# Altium PCB Backend.PcbDoc (part 1 of 3) (continued)
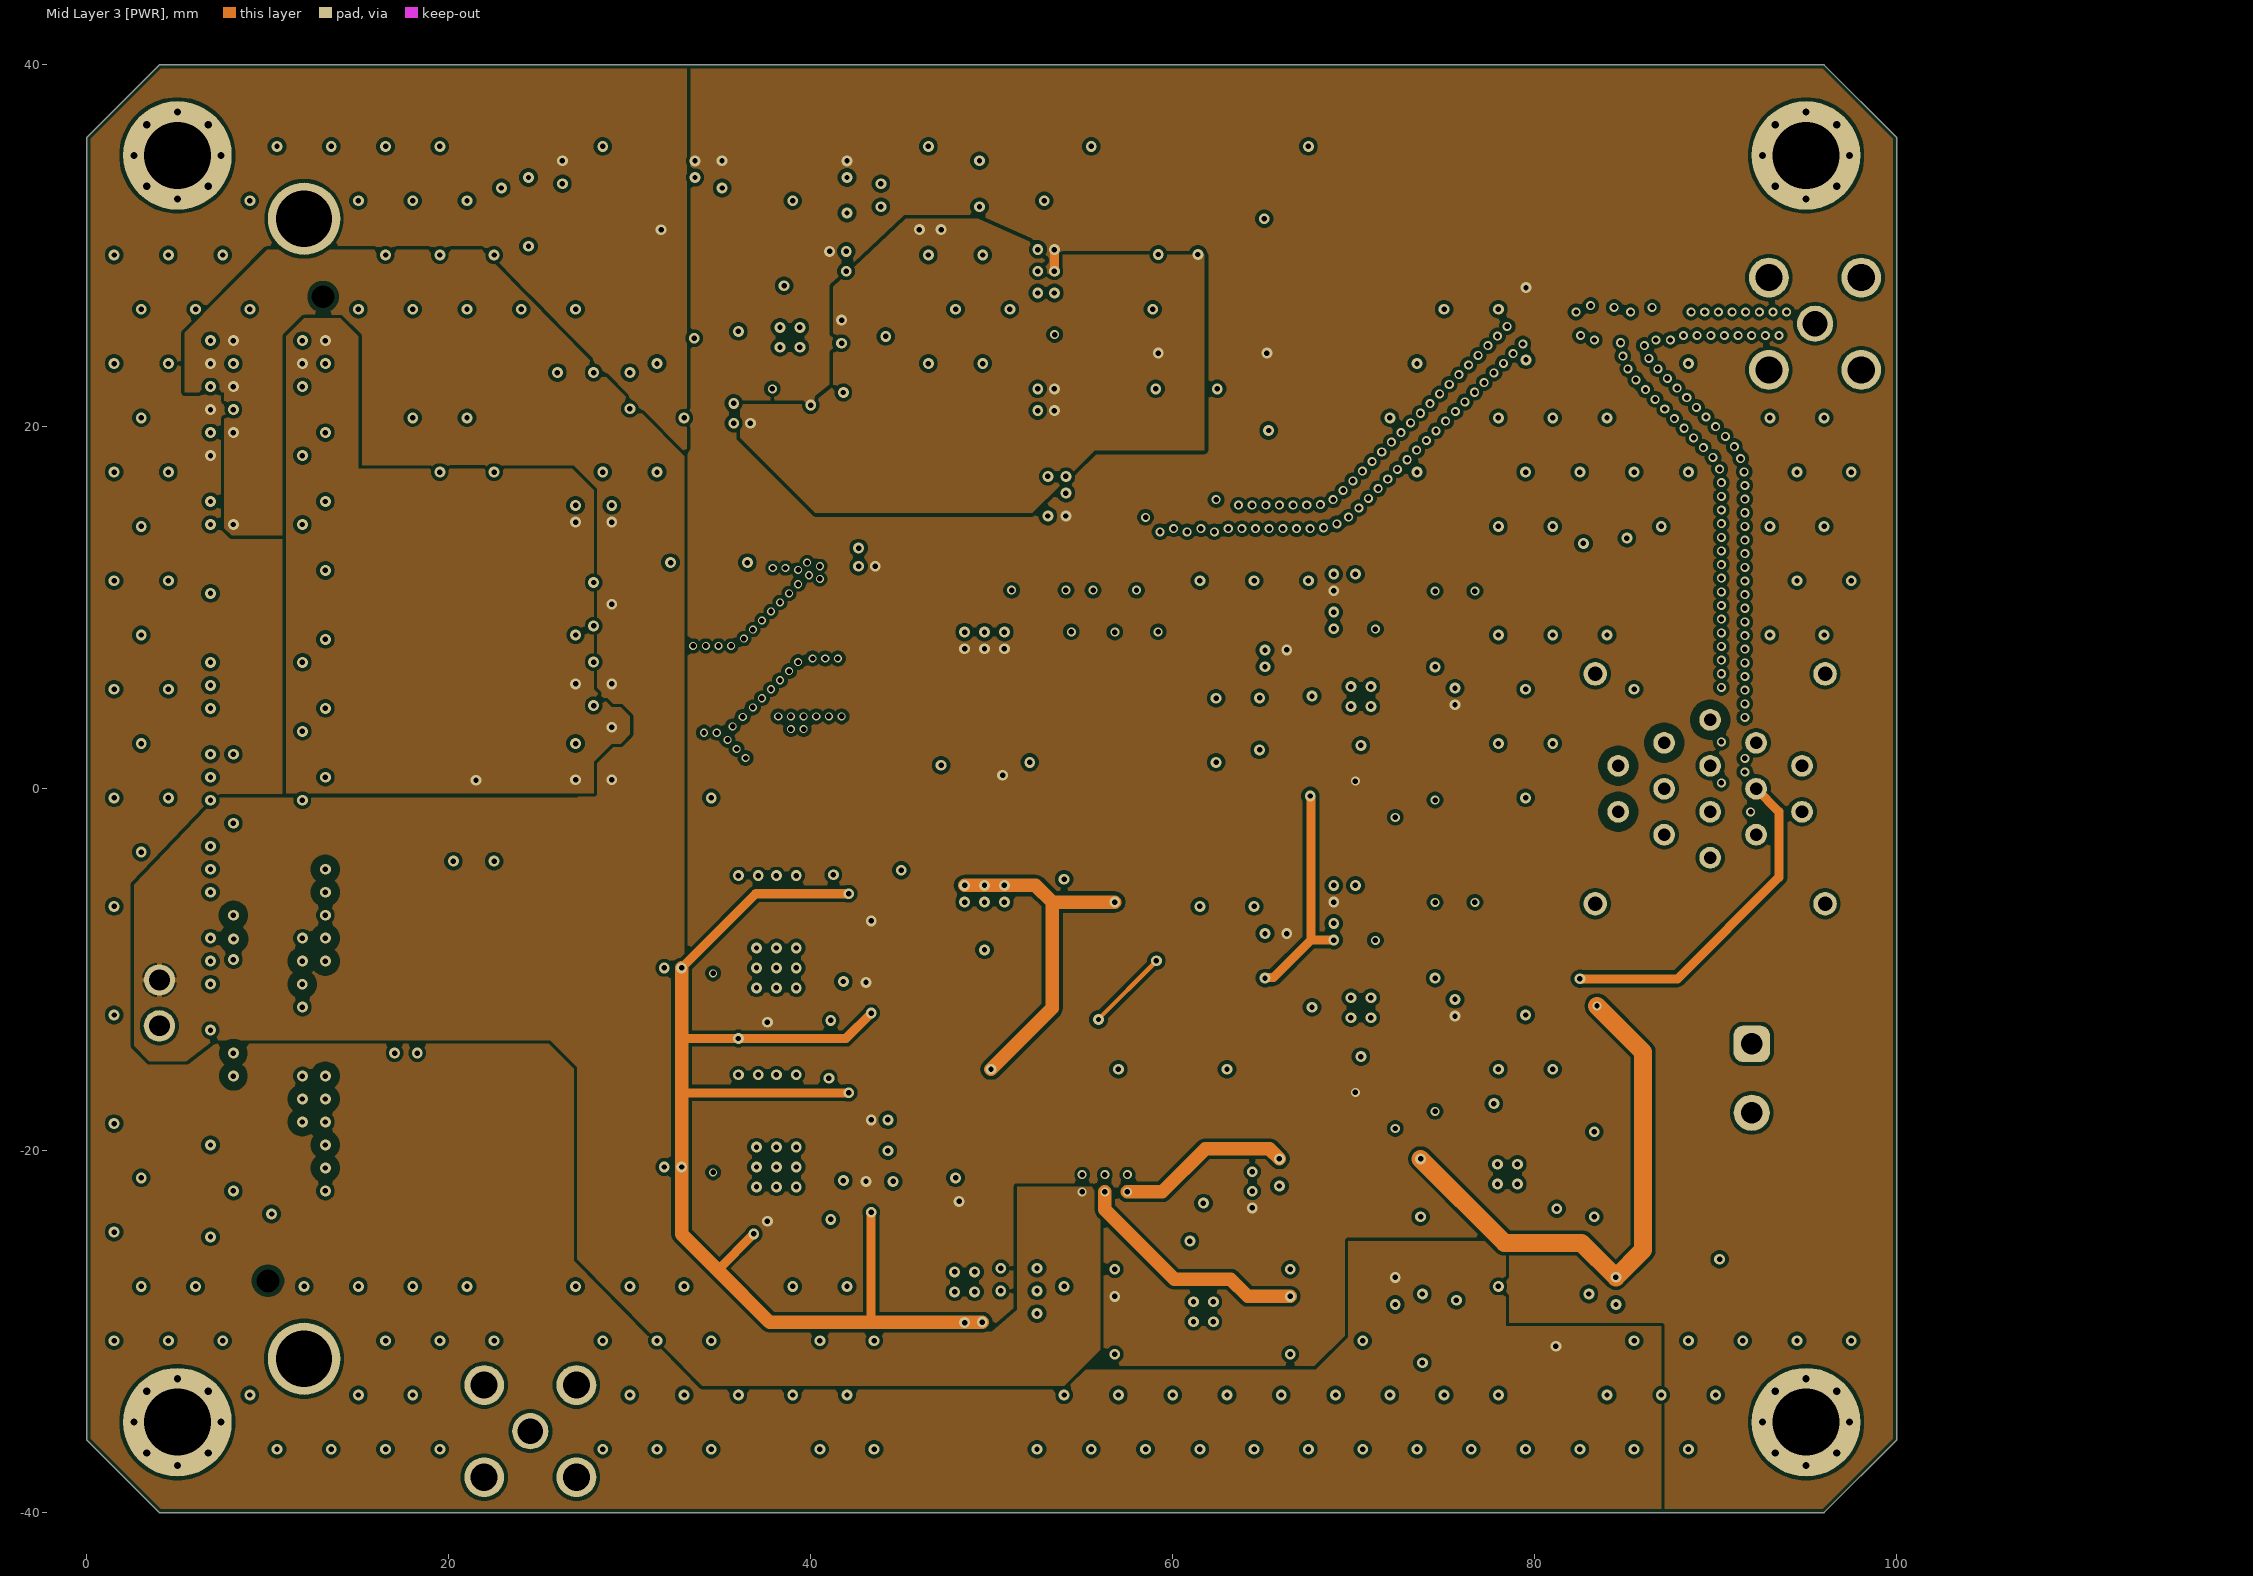
[diagram p4: Mid Layer 3 [PWR]]
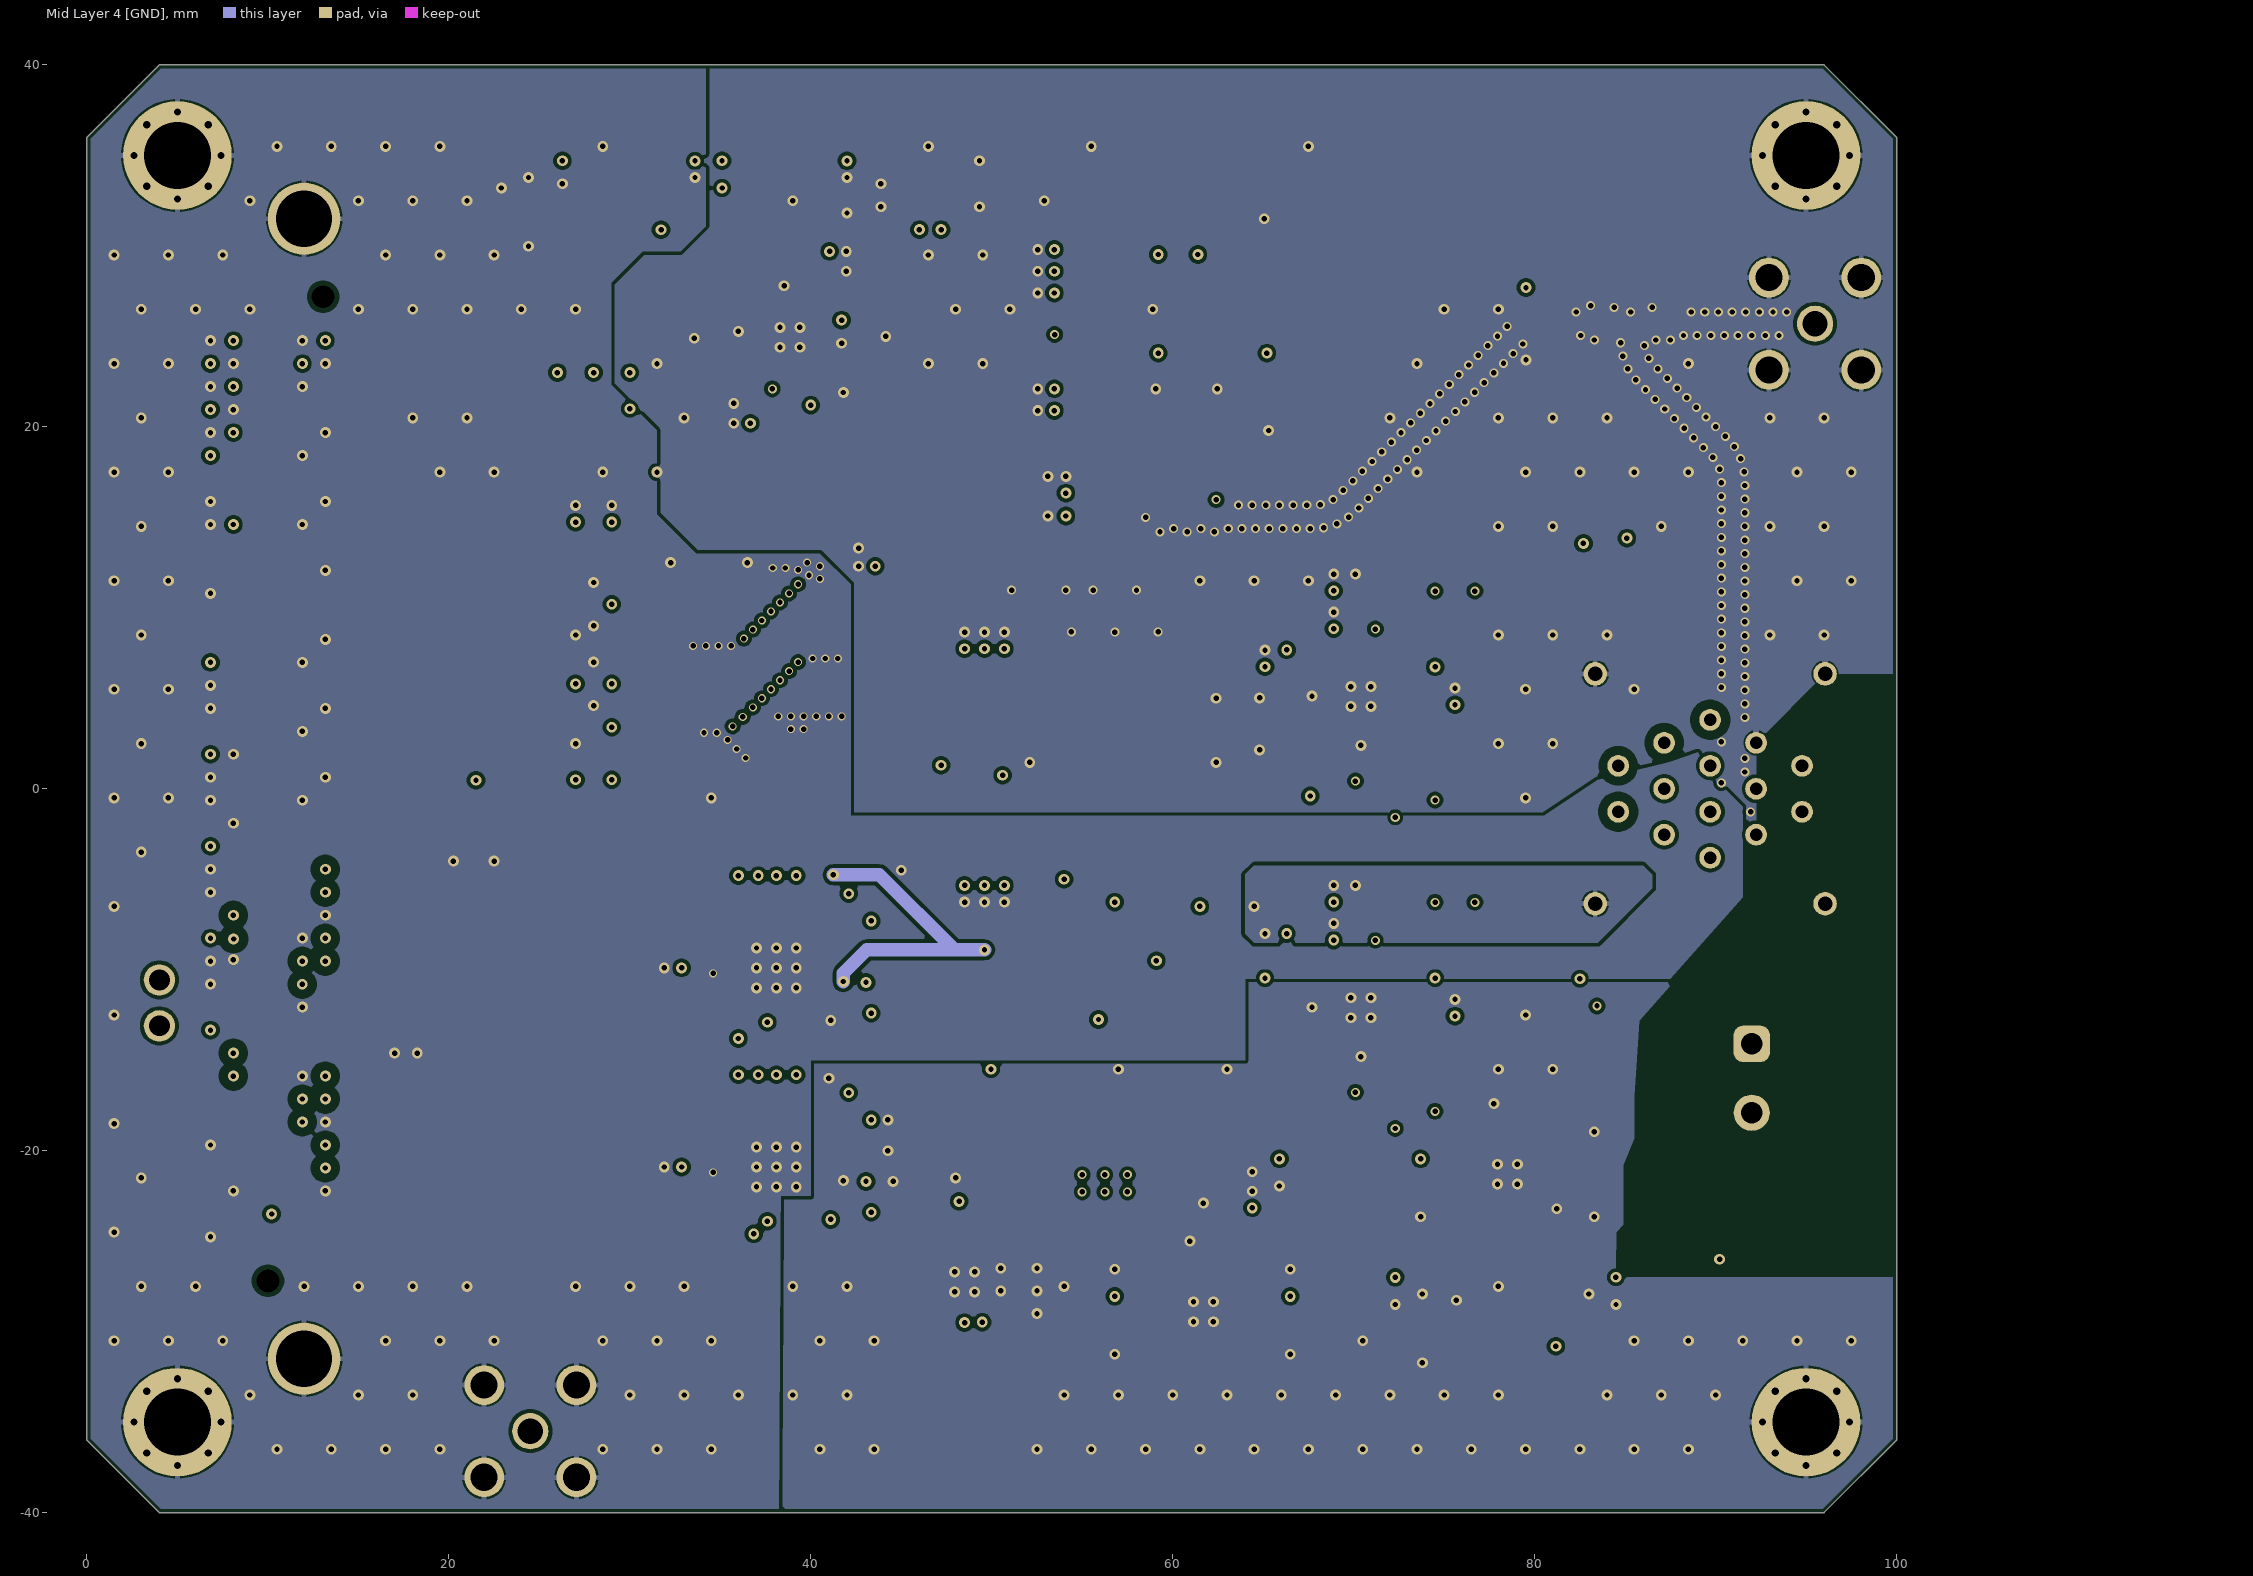
[diagram p5: Mid Layer 4 [GND]]
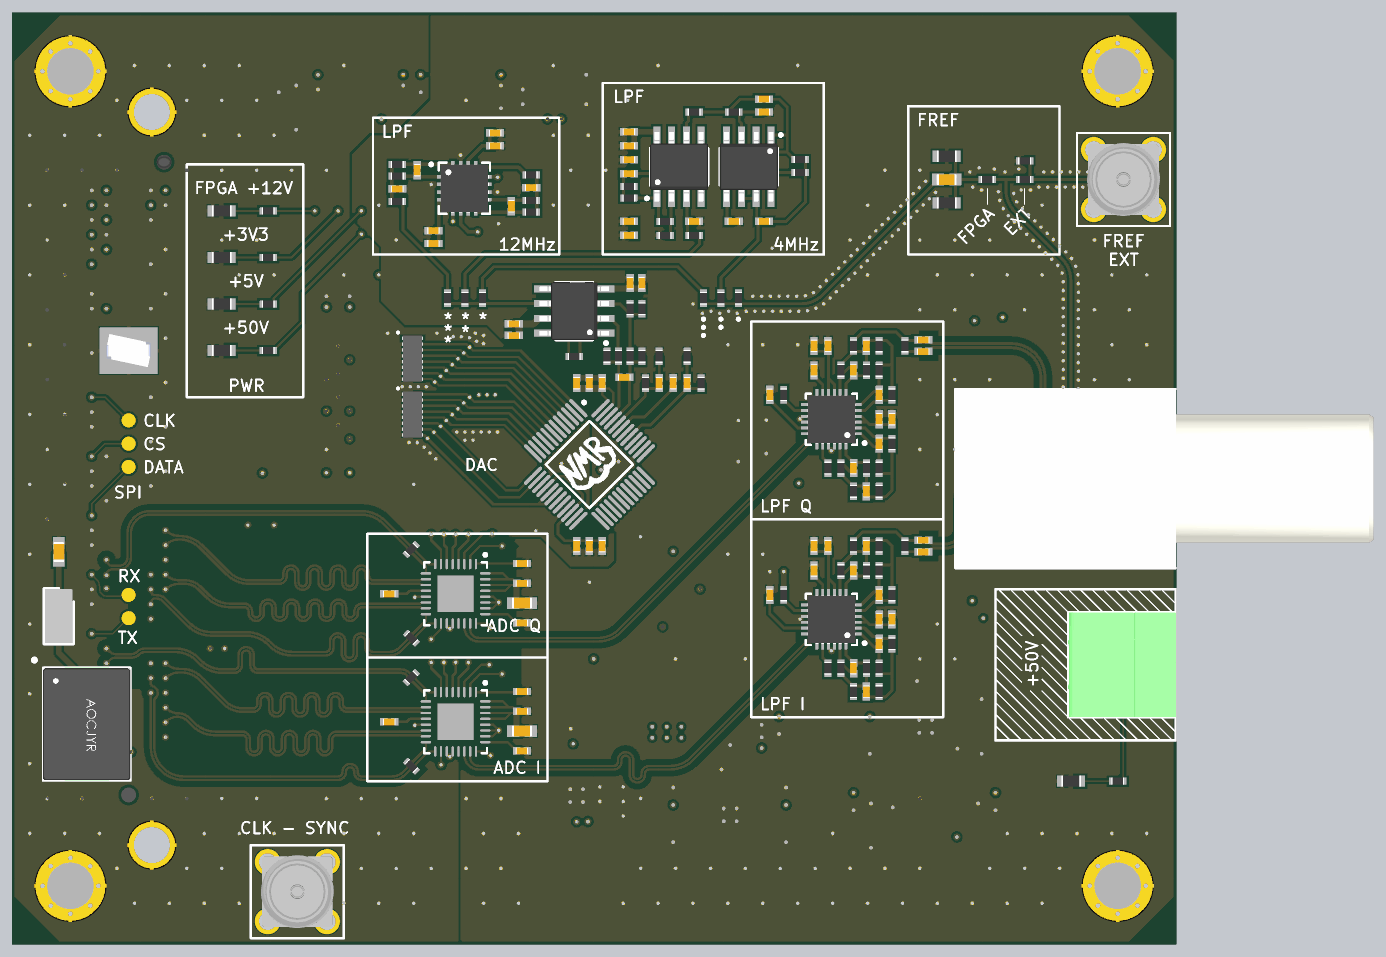
[diagram p8: 3D render of the assembled board from above, using the file's embedded part models]
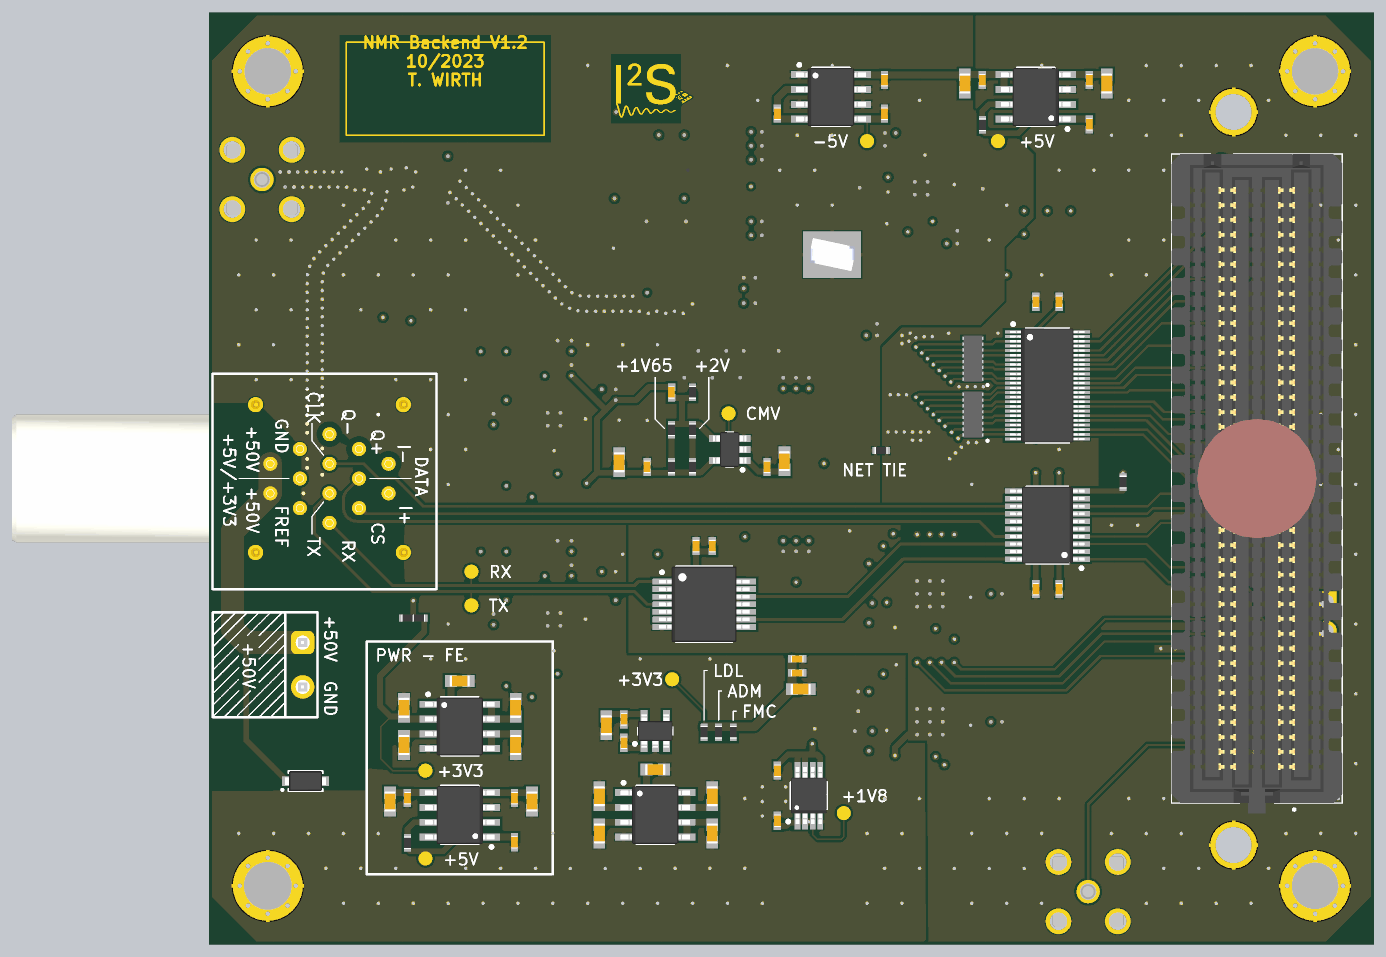
[diagram p9: 3D render of the assembled board from below, using the file's embedded part models]

## Layer stack, top to bottom
Top Solder: solder mask 0.0127, Solder Resist, Dk 3.8
Top Layer [SIG]: signal copper 0.035
Dielectric 1: prepreg 0.1, 2313, Dk 4.05
Mid Layer 1 [GND]: signal copper 0.0175
Core 1: core 0.565, FR-4, Dk 4.5
Mid Layer 2 [SIG]: signal copper 0.0175
Dielectric 2: prepreg 0.127, 2116, Dk 4.25
Mid Layer 3 [PWR]: signal copper 0.0175
Core 2: core 0.565, FR-4, Dk 4.5
Mid Layer 4 [GND]: signal copper 0.0175
Dielectric 3: prepreg 0.1, 2313, Dk 4.05
Bottom Layer [SIG]: signal copper 0.035
Bottom Solder: solder mask 0.0127, Solder Resist, Dk 3.8

## Board outline
4,-40 0,-36 0,36 4,40 96,40 100,36 100,-36 96,-40

## Design rules (kind name [scope] priority, off if disabled: settings)
BoardOutlineClearance [All] p1: gap=0.2 ignorepadtopadclearanceinfootprint=FALSE
Clearance Clearance_Diff [(InNetClass('ADC_A_IN') OR InNetClass('ADC_OUT') OR InNetClass('LNA_SIG'))] p1: gap=0.102 ignorepadtopadclearanceinfootprint=TRUE except(0.09: Arc-Arc Arc-Track Arc-SMDPad Track-Track Track-SMDPad; 0.127: SMDPad-SMDPad THPad-Via Via-Fill Via-Region Via-Text; 0.2: Arc-Via Track-Via; 0.254: Arc-Hole Track-Hole SMDPad-Via SMDPad-Hole THPad-Hole Via-Via Via-Hole Fill-Hole Poly-Hole Region-Hole Text-Hole; 0.33: Arc-THPad Track-THPad SMDPad-THPad THPad-THPad; 0.5: Arc-Poly Track-Poly SMDPad-Poly THPad-Poly Via-Poly Fill-Poly Poly-Poly)
Clearance [All] p2: gap=0.102 ignorepadtopadclearanceinfootprint=TRUE except(0.09: Arc-Arc Arc-Track Arc-SMDPad Track-Track Track-SMDPad; 0.127: SMDPad-SMDPad Via-Fill Via-Region Via-Text; 0.2: Arc-Via Arc-Poly Track-Via Track-Poly SMDPad-Poly THPad-Poly Via-Poly Fill-Poly Poly-Poly; 0.254: Arc-Hole Track-Hole SMDPad-Via SMDPad-Hole THPad-Via THPad-Hole Via-Via Via-Hole Fill-Hole Poly-Hole Region-Hole Text-Hole; 0.33: Arc-THPad Track-THPad SMDPad-THPad THPad-THPad)
ComponentClearance [InComponent('P1')] p1: gap=0 collisioncheckmode=3 verticalgap=2540 showdistances=FALSE
DiffPairsRouting [All] p1: maxlimit=0.25 minlimit=0.09 mostfreqgap=0.2 toplayer_minwidth=0.09 toplayer_maxwidth=0.75 toplayer_prefwidth=0.2 midlayer1_minwidth=0.09 midlayer1_maxwidth=0.75 midlayer1_prefwidth=0.2 midlayer2_minwidth=0.09 midlayer2_maxwidth=0.75 midlayer2_prefwidth=0.2 midlayer3_minwidth=0.09 midlayer3_maxwidth=0.75 midlayer3_prefwidth=0.2 midlayer4_minwidth=0.09 midlayer4_maxwidth=0.75 midlayer4_prefwidth=0.2 bottomlayer_minwidth=0.09 bottomlayer_maxwidth=0.75 bottomlayer_prefwidth=0.2 maxuncoupledlength=12.7
Height [All] p1: minheight=0 maxheight=1816.048 prefheight=12.7
HoleSize [All] p1: absolutevalues=TRUE maxlimit=6.3 minlimit=0.2 maxpercent=80.000 minpercent=20.000
HoleToHoleClearance [All] p1: gap=0.254 allowstackedmicrovias=FALSE
MatchedLengths MatchedLengths__ADC_OUT [InNetClass('ADC_OUT')] p1: tolerance=25.4 checknetsindiffpair=FALSE checkdiffpairvsdiffpair=TRUE checkxsignals=TRUE checkothers=TRUE usedelayunits=TRUE delaytolerance=10.000000
MatchedLengths MatchedLengths_ADC_IN [InNetClass('ADC_A_IN')] p2: tolerance=2 checknetsindiffpair=FALSE checkdiffpairvsdiffpair=TRUE checkxsignals=TRUE checkothers=TRUE usedelayunits=TRUE delaytolerance=10.000000
MinimumAnnularRing [All] p1: minimumring=0.075
MinimumSolderMaskSliver [All] p1: minsoldermaskwidth=0.13
PasteMaskExpansion [All] p1: expansion=0 percent=-10.000000
PlaneClearance PlaneClearance_Diff [(InNetClass('ADC_A_IN') OR InNetClass('ADC_OUT') OR InNetClass('LNA_SIG'))] p1: clearance=1
PlaneClearance [All] p2: clearance=0.102
PlaneConnect PlaneConnectPowerPads [InPadClass('PowerPads')] p1: planeconnectstyle=Direct reliefexpansion=0.508 reliefentries=4 reliefconductorwidth=0.254 reliefairgap=0.254
PlaneConnect [All] p2: planeconnectstyle=Direct reliefexpansion=0.3 reliefentries=4 reliefconductorwidth=0.102 reliefairgap=0.102
PolygonConnect PolygonConnectPowerPads [All vs (InPadClass('PowerPads'))] p1: connectstyle=Direct reliefconductorwidth=0.254 reliefentries=4 polygonreliefangle="90 Angle" airgapwidth=0.254
PolygonConnect [All] p2: thpad.connectstyle=Relief thpad.reliefconductorwidth=0.3 thpad.reliefentries=4 thpad.polygonreliefangle="90 Angle" thpad.airgapwidth=0.102 smdpad.connectstyle=Relief smdpad.reliefconductorwidth=0.3 smdpad.reliefentries=4 smdpad.polygonreliefangle="90 Angle" smdpad.airgapwidth=0.102 via.connectstyle=Direct via.reliefconductorwidth=0.102 via.reliefentries=4 via.polygonreliefangle="90 Angle" via.airgapwidth=0.102
RoomDefinition ConnectorFront [InComponentClass('ConnectorFront')] p1: confinementstyle=ConfineIn formatcopy=TRUE lockcomponents=FALSE outline 80.696,-8.054 80.696,8.054 82.621,8.054 82.621,26.429 85.821,26.429 85.821,28.029 91.146,28.029 91.146,30.054 99.854,30.054 99.854,8.054 117.404,8.054 117.404,-8.054
RoomDefinition LPF-DAC-1 [InComponentClass('LPF-DAC-1')] p2: confinementstyle=ConfineIn formatcopy=TRUE lockcomponents=FALSE outline 50.773,19.323 50.773,32.977 57.123,32.977 57.123,33.477 63.373,33.477 63.373,35.177 66.627,35.177 66.627,28.177 69.777,28.177 69.777,26.423 69.777,24.823 66.427,24.823 66.427,20.923 60.377,20.923 60.377,19.323 57.223,19.323
RoomDefinition "PDN Backend" [InComponentClass('PDN Backend')] p3: confinementstyle=ConfineIn formatcopy=TRUE lockcomponents=FALSE outline 21.871,32.171 21.871,35.729 25.021,35.729 25.021,35.879 42.621,35.879 42.621,36.059 50.579,36.059 50.579,32.589 51.979,32.589 51.979,8.629 61.079,8.629 61.079,3.179 65.829,3.179 65.829,-11.141 100.354,-11.141 100.354,-20.859 94.204,-20.859 94.204,-27.279 67.529,-27.279 67.529,-32.279 55.771,-32.279 55.771,-30.679 46.421,-30.679 46.421,1.671 41.121,1.671 41.121,29.211 23.621,29.211 23.621,32.171
RoomDefinition ConnectorFMC [InComponentClass('ConnectorFMC')] p4: confinementstyle=ConfineIn formatcopy=TRUE lockcomponents=FALSE outline 1.856,-29.583 1.856,28.695 18.144,28.695 18.144,16.429 27.779,16.429 29.779,16.429 29.779,13.779 32.179,13.779 32.179,-0.171 32.179,-8.204 29.779,-8.204 29.779,-10.729 28.854,-10.729 28.854,-39.854 20.146,-39.854 20.146,-29.583
RoomDefinition ADC2 [InComponentClass('ADC2')] p5: confinementstyle=ConfineIn formatcopy=TRUE lockcomponents=FALSE outline 30.7,-25.9 45.5,-25.9 45.5,-15.4 30.7,-15.4
RoomDefinition ADC1 [InComponentClass('ADC1')] p6: confinementstyle=ConfineIn formatcopy=TRUE lockcomponents=FALSE outline 30.7,-14.9 45.5,-14.9 45.5,-4.4 30.7,-4.4
RoomDefinition LPF-ADC1 [InComponentClass('LPF-ADC1')] p7: confinementstyle=ConfineIn formatcopy=TRUE lockcomponents=FALSE outline 64.321,5.971 64.321,8.429 68.121,8.429 68.121,12.629 77.071,12.629 77.071,12.704 79.529,12.704 79.529,10.146 76.379,10.146 76.379,3.871 76.329,3.871 76.329,1.821 75.279,1.821 75.279,1.771 75.229,1.771 75.229,-2.279 74.179,-2.279 74.179,-2.329 72.621,-2.329 72.621,-2.279 71.571,-2.279 71.571,-0.329 71.521,-0.329 71.521,-0.279 69.371,-0.279 69.371,2.196 67.496,2.196 67.496,5.971
RoomDefinition DAC [InComponentClass('DAC')] p8: confinementstyle=ConfineIn formatcopy=TRUE lockcomponents=FALSE outline 32.196,2.221 32.196,13.579 41.871,13.579 41.871,14.079 44.321,14.079 44.321,17.429 52.321,17.429 52.321,18.029 54.879,18.029 54.879,11.679 58.729,11.679 58.729,9.429 58.779,9.429 58.779,9.379 59.929,9.379 59.929,7.021 58.779,7.021 58.779,6.971 57.985,6.971 57.985,-7.185 41.215,-7.185 41.215,2.221
RoomDefinition LPF-DAC [InComponentClass('LPF-DAC')] p9: confinementstyle=ConfineIn formatcopy=TRUE lockcomponents=FALSE outline 36.671,14.321 36.671,16.679 38.171,16.679 61.629,16.679 63.129,16.679 63.129,14.321
RoomDefinition "TRX Protection Circuit" [InComponentClass('TRX Protection Circuit')] p10: confinementstyle=ConfineIn formatcopy=TRUE lockcomponents=FALSE outline 52.673,-14.427 52.673,-7.173 55.823,-7.173 55.823,-4.173 59.277,-4.173 59.277,-7.173 62.327,-7.173 62.327,-14.427
RoomDefinition "Ref Freq DC LVL Shift" [InComponentClass('Ref Freq DC LVL Shift')] p11: confinementstyle=ConfineIn formatcopy=TRUE lockcomponents=FALSE outline 78.521,24.671 78.521,26.729 78.571,26.729 78.571,28.729 82.029,28.729 82.029,26.729 82.079,26.729 82.079,24.671 82.029,24.671 82.029,22.671 78.571,22.671 78.571,24.671
RoomDefinition OCXO [InComponentClass('OCXO')] p12: confinementstyle=ConfineIn formatcopy=TRUE lockcomponents=FALSE outline 1.498,-27.102 1.498,-15.098 2.34,-15.098 2.34,-9.053 2.873,-9.053 2.873,-4.473 5.127,-4.473 5.127,-9.053 5.659,-9.053 5.659,-15.098 11.302,-15.098 11.302,-27.102
RoomDefinition LPF-DAC-2 [InComponentClass('LPF-DAC-2')] p13: confinementstyle=ConfineIn formatcopy=TRUE lockcomponents=FALSE outline 31.871,24.121 31.871,25.679 31.921,25.679 31.921,27.729 35.496,27.729 35.496,27.829 40.271,27.829 40.271,30.479 42.729,30.479 42.729,26.829 45.779,26.829 45.779,25.779 45.829,25.779 45.829,24.221 45.779,24.221 45.779,22.171 41.729,22.171 41.729,22.071 37.429,22.071 37.429,19.421 34.971,19.421 34.971,23.071 31.921,23.071 31.921,24.121
RoomDefinition LPF-ADC2 [InComponentClass('LPF-ADC2')] p14: confinementstyle=ConfineIn formatcopy=TRUE lockcomponents=FALSE outline 64.321,-11.229 64.321,-8.771 68.121,-8.771 68.121,-4.571 77.071,-4.571 77.071,-4.521 79.529,-4.521 79.529,-7.079 76.379,-7.079 76.379,-13.329 76.329,-13.329 76.329,-15.379 75.279,-15.379 75.279,-15.429 75.229,-15.429 75.229,-19.479 74.179,-19.479 74.179,-19.529 72.621,-19.529 72.621,-19.479 71.571,-19.479 71.571,-17.529 71.521,-17.529 71.521,-17.479 69.371,-17.479 69.371,-15.004 67.496,-15.004 67.496,-11.229
RoutingVias [All] p1: holewidth=0.3 width=0.45 viastyle="Through Hole" minholewidth=0.15 minwidth=0.45 maxholewidth=6.3 maxwidth=6.55
SilkToSilkClearance [All] p1: silktosilkclearance=0.15
SilkToSolderMaskClearance [IsPad] p1: minsilkscreentomaskgap=0.15 clearancetoexposedcopper=TRUE
SolderMaskExpansion SolderMaskExpansion_Via [IsVia] p1: expansion=0 istentingtop=TRUE
SolderMaskExpansion [All] p2: expansion=0 istentingtop=FALSE
Width [All] p1: maxlimit=1816.048 minlimit=0.09 preferedwidth=0.102
19 further rules are at their usual default settings.
